# Allegro board 20173009_BALENA-FIN_V10.brd (continued)
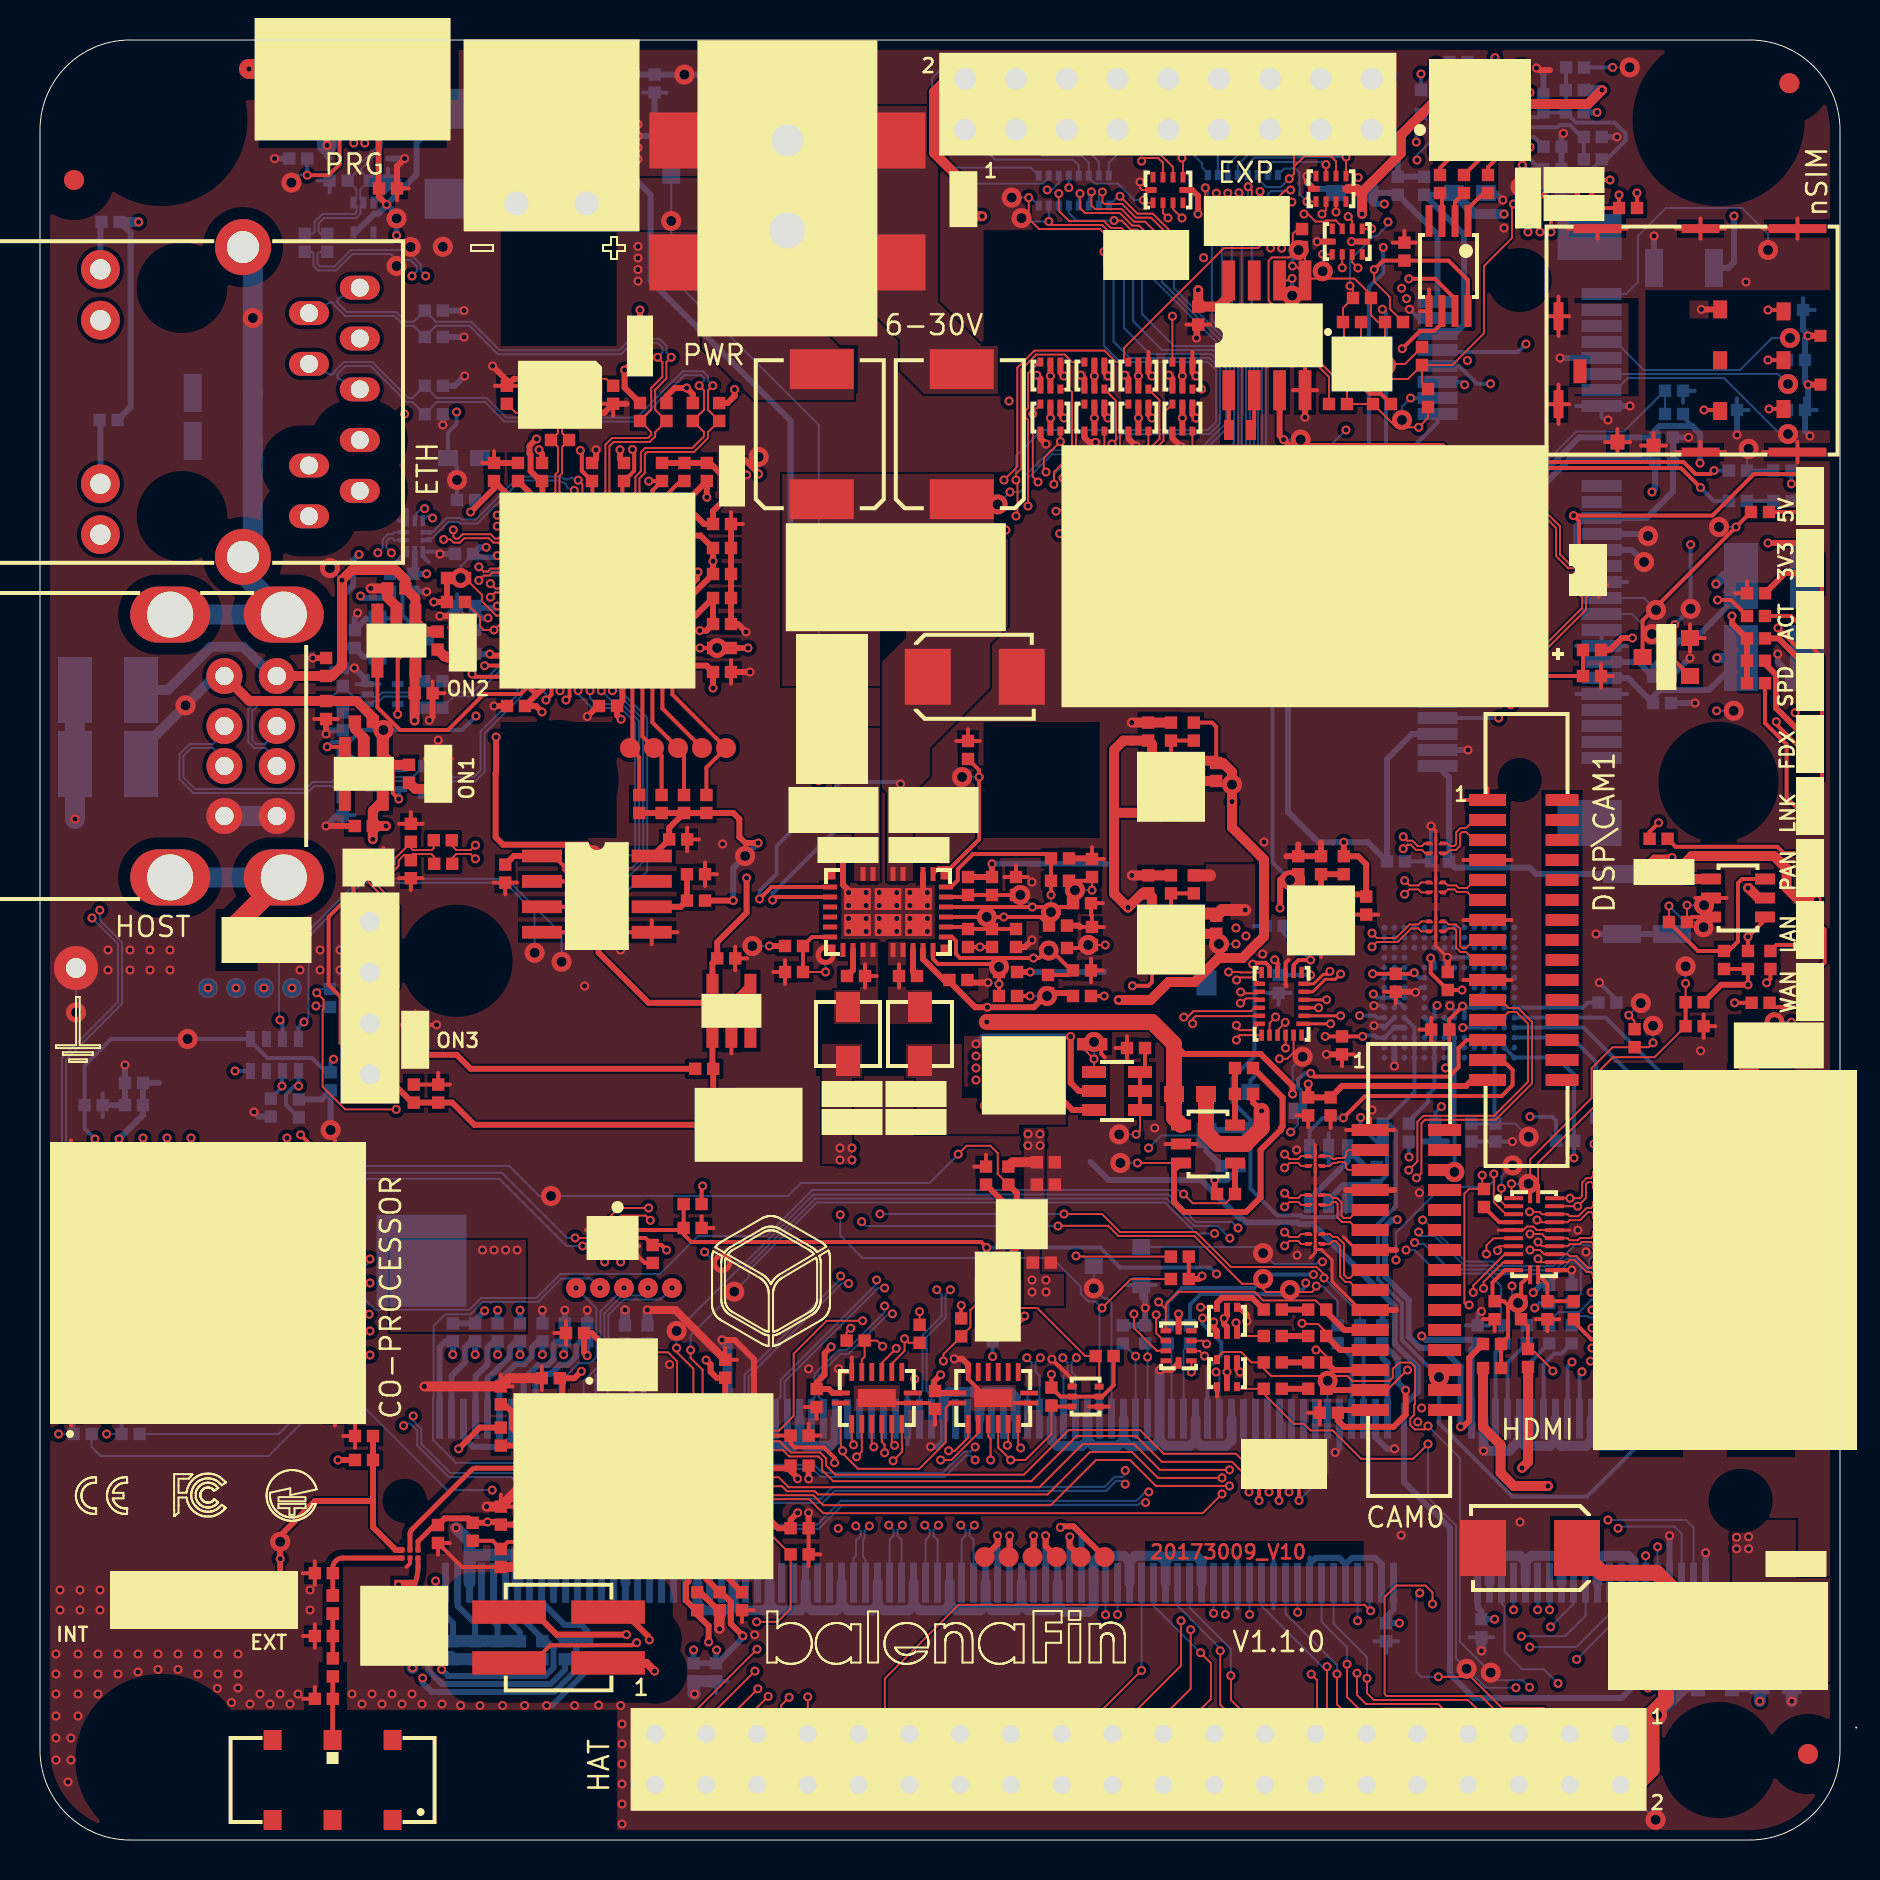
[diagram p0: board, top side]
## Routing (per net, layer and track width the routed paths; a pad name or vN(x,y) marks a point on that pad's centre or on a via; arc(x,y) is an arc through that point) (continued)
+3V3_A: length 30.1
  TOP w0.2: v1(29.63,69.53) 29.71,69.44 29.71,68.46 29.2,67.95 C174.2 29.12,67.87 U22.54 ; 31.09,67.94 C173.2 ; 31.09,67.94 v1(30.44,67.94) ; 31.09,67.94 30.62,67.47 U22.51 ; U22.57 27.62,67.93 C175.2 27.21,68.34 27.21,68.34 27.09,68.46 27.09,69.41 v1(27.02,69.48)
  TOP w0.3: R163.2 29.23,72.62 v1(29.23,73.5) 29.63,73.9 L20.2 ; R162.2 31.32,72.19 31.73,72.6 v1(32.33,72.6) 32.64,72.29 R165.2 ; v1(21.53,66.4) 22.7,67.57 C176.2 23.87,66.78 U22.64 ; U22.10 22.92,61.72 22.9,61.7 v1(22.86,61.7) ; v1(34.73,72.53) 34.73,72.2 34.38,71.85 R164.2 ; U22.49 32.17,66.78 C172.2 v1(33.34,67.14) ; U22.5 v1(22.86,64.22)
  POWER w0.5: v1(29.23,73.5) 29.23,72.8
  BOTTOM w0.1: v2(21.03,63.1) 21.03,63.68 C170.2
  BOTTOM w0.3: R200.2 21.75,66.62 v1(21.53,66.4) ; v1(22.86,61.7) 22.77,61.6 22.19,61.6 22.19,61.6 21.85,61.6 C171.2 21.75,61.45 22.1,61.1 v1(22.4,61.1) ; v1(22.86,64.22) 22.78,64.14 21.81,64.14 C170.2 21.99,64.64 v1(22.31,64.64)
+3V3_LED: length 169.9
  TOP w0.2: LD11.2 88.5,47.33 v1(88.83,47) 88.5,46.68 LD10.2 89.23,45.52 89.23,43.88 LD9.2 ; LD5.2 89.1,64.25 89.1,62.35 LD17.2
  TOP w0.3: v1(84.6,61.2) 84.6,60.83 R174.2 R177.2 R175.2 ; LD5.2 v1(86.4,64.85)
  TOP w0.5: Q16.4 82.35,48.05 R267.2 82,48.6 82.6,49.2 86.7,49.2 87.33,48.57 87.33,47.6 87.93,47 v1(88.83,47)
  INT4 w0.5: v1(4.93,80.9) 8.03,80.9 9.63,82.5 19.23,82.5 24.83,88.1 39.03,88.1 43.63,83.5 43.63,67.2 48.03,62.8 69.73,62.8 71.03,64.1 85.65,64.1 v1(86.4,64.85)
  POWER w0.5: v1(86.4,64.85) 84.6,63.05 v1(84.6,61.2) 84.6,60.75 88.8,56.55 88.8,47.09 88.83,47.06 v1(88.83,47) 88.83,46.86 88.8,46.83 88.8,44.12 87.58,42.9 v1(87.58,40.89)
  BOTTOM w0.1: v1(87.58,40.89) v2(86.72,40.89)
  BOTTOM w0.3: R308.1 4.53,71.65 4.53,80.35 R307.2
  BOTTOM w0.5: R307.2 v1(4.93,80.9)
+3V3_ON: length 136.8
  TOP w0.1: R289.1 67.5,76.56 67.5,77.15 66.71,77.93 v1(66.71,78.52)
  TOP w0.2: v1(65.9,72.9) 66.49,72.31 67.04,72.31 67.55,71.8 R288.2 ; U30.8 71.4,78 70.43,78.97 C242.1 67.16,78.97 v1(66.71,78.52)
  TOP w0.3: 50.52,71.8 v1(50.52,71.1) DS10.2 ; DS28.5 v1(50.52,73.2) 50.52,73.9 ; DS25.2 v1(57.12,73.2) 57.12,73.9 ; R254.2 v1(49.51,43.4) ; 52.72,71.8 v1(52.72,71.1) DS9.2 ; v1(47.6,48.81) R258.2 C221.1 ; 54.92,71.8 v1(54.92,71.1) DS8.2 ; DS27.5 v1(52.72,73.2) 52.72,73.9 ; DS26.5 v1(54.92,73.2) 54.92,73.9 ; DS7.2 v1(57.12,71.1) 57.12,71.8 ; TVS6.10 57.6,82.5 57.9,82.2 v1(57.9,81.3) ; TVS7.10 v1(65.58,79.92) ; MOD2.29 v1(3.95,35.05)
  TOP w0.5: TVS18.10 65.8,82.56 66.1,82.26 ; F2.2 v1(47.11,81.19) ; C151.1 48.64,33.89 R180.2 ; v1(78.1,87.5) 77.4,86.8 69.6,86.8 68.04,85.24 68.04,84.33 66.1,82.39 66.1,82.26 ; 66.1,82.26 v1(66.1,81.3)
  INT1 w0.1: v1(3.95,35.05) 8.4,39.5 v1(8.4,42.6)
  INT1 w0.2: v1(65.9,72.9) 62.4,72.9 58.4,76.9 58.4,78.9 v1(58.18,79.12)
  BOTTOM w0.3: R183.1 79.08,7.1 71.69,7.1 70.5,8.29 70.5,15.6 68.2,17.9 68.2,21.73 68.9,22.43 68.9,23.65 67.74,24.81 67.74,26.69 63.63,30.8 62.98,30.8 62.89,30.88 60.29,30.88 60.1,31.08 59.99,31.08 58.07,33 53.43,33 52.53,33.9 ; v2(14.53,35.5) R118.2 14.08,37.03 R128.2 ; v1(49.51,43.4) 53.2,43.4 ; v1(3.95,35.05) 5.15,36.25 C92.1 C93.1 5.96,37.86 ; v1(47.6,48.81) 53.31,48.81
  BOTTOM w0.5: R236.2 v1(78.1,87.5)
  vias: v1(40,34.6) v1(40,34) v1(40.6,34.6) v1(40.6,34) v1(49.4,35.3) v1(49.4,34.72) v1(50,35.3) v1(50,34.72) v1(53.4,65.6) v1(54.6,65.6) v1(55.8,65.6) v1(57,65.6)
+5V: length 125.9
  TOP w0.2: LD4.2 88.15,68.3 85.7,68.3 83.62,66.22 v1(76.68,66.22) 76.95,65.95 TVS17.5 ; v1(36.63,47) 36.78,47.15 U27.12
  TOP w0.3: Q15.5 51.94,37.45 51.53,37.86 v1(51.53,40.17) ; R272.2 60.65,36.88 v1(61.08,36.45)
  TOP w0.5: U23.8 59.44,77.17 58.94,76.67 C188.1 v1(57.91,77.5) ; LD8.4 LD8.5 LD8.6 70.88,88.2 v1(70.4,88.2) ; R244.1 72.15,20.64 73.03,19.76 73.03,18.36 73.69,17.7 v1(75.4,17.7)
  TOP w0.8: R268.1 58.3,35.37 58.87,34.8 Q17.2 60.28,34.8 61.08,35.6 v1(61.08,36.45)
  INT1 w0.2: v1(58.2,65.2) 75.65,65.2 v1(76.68,66.22)
  INT2 w0.5: v1(58.2,65.2) v1(58.2,58.4)
  POWER w0.5: v1(70.4,88.2) 68.1,85.9 68.1,79.1 66.13,77.12 65.26,77.12 64.89,77.5 v1(57.91,77.5) 58.8,76.61 58.8,65.8 v1(58.2,65.2)
  POWER w0.8: v1(61.08,36.45) 61.08,37.08 63.06,39.05 63.06,41.67 62.53,42.2 62.53,44.44 61.16,45.82 61.16,47.14 61.12,47.17
  BOTTOM w0.1: v1(58.2,58.4) v2(59.05,58.4)
  BOTTOM w0.2: v1(36.63,47) 36.63,47.33 v1(40,50.7)
  BOTTOM w0.3: v1(51.53,40.17) 47.17,40.17 v1(46.8,39.8)
  vias: v1(84.83,15.14) v1(84.83,14.56) v1(85.43,15.16) v1(85.43,14.56)
+5V_DEV: length 107.8
  TOP w0.3: v1(35.33,48.1) 35.33,46.36 33.86,44.89 C235.1 33.62,43.84 U28.5 ; v1(62.63,37.3) 62.63,37.7 61.03,39.3 57.2,39.3 56.7,39.8 ; R243.1 71.46,24.11 71.46,20.96 71.16,20.66 v1(71.03,20.66)
  TOP w0.5: C63.1 v1(16.64,50.04) ; C63.1 v1(17.3,50.7) ; C63.1 16.64,51.46 U10.5 ; U12.5 18.73,58.58 C75.1 v1(18.73,55.97)
  TOP w0.8: Q17.4 56.7,36.1 R268.2 56.7,39.8 55.6,40.9 v1(47.34,40.9)
  INT1 w0.3: v1(62.63,37.3) 62.63,37.1 64.1,35.63 67.16,35.63 67.86,34.93 v1(67.86,31.02)
  INT2 w0.8: v1(16.64,50.04) v1(17.3,50.7) 17.62,50.7 18.73,51.81 v1(18.73,55.97)
  POWER w0.8: v1(16.64,50.04) v1(17.3,50.7) 17.64,51.03 21.53,51.03 22.96,49.6 31.3,49.6 32.8,48.1 v1(35.33,48.1) 44.67,48.1 46.2,46.57 46.2,41.7 47,40.9 v1(47.34,40.9)
  BOTTOM w0.1: v2(63.13,39.16) 62.63,38.66 v1(62.63,37.3)
  BOTTOM w0.3: v1(67.86,31.02) 67.61,31.02 67.25,30.65 67.25,28.17 68.44,26.98 68.44,25.17 69,24.61 70.08,24.61 71.03,23.66 v1(71.03,20.66)
+5V_INT: length 12.6
  TOP w0.2: R255.2 v1(49.5,42.2) ; C220.1 v1(47,44.65) R257.2
  TOP w0.3: Q15.6 51.62,36.5 Q14.5
  INT1 w0.2: v1(47,44.65) 47.57,44.65 49.5,42.72 v1(49.5,42.2)
  INT1 w0.3: v1(49.5,42.2) v1(49.5,39.66)
  BOTTOM w0.1: v1(49.5,42.2) v2(50.35,42.2)
+5V_USB_DBG: length 46.7
  TOP w0.3: v1(17.33,81.78) 16.95,82.15 C88.1 16.93,82.6 J13.1
  INT2 w0.3: v1(17.83,80.22) 17.83,71.7 v1(18.23,71.3)
  POWER w0.3: v1(15.95,64.28) 16.71,65.03 17.96,65.03 18.53,65.6 18.53,71 v1(18.23,71.3)
  BOTTOM w0.3: v1(17.83,80.22) v2(17.83,81.08) 17.83,81.27 17.33,81.78 ; R237.2 27.74,86.56 DS33.2 18.83,84.86 18.83,83.28 17.33,81.78 ; v1(15.95,64.28) 15.65,63.97 15.65,62.72 15.18,62.25 15.18,59.9 15.48,59.6 R116.2 16.17,59.17 Q6.1 ; 17.33,81.78 v1(17.33,81.78) 17.33,81.72 16.92,81.32 16.72,81.32 15.78,80.38 TVS5.5
GND_DIGITAL: length 738.7
  TOP w0.1: TVS6.5 55.1,82.5 55,82.6 v1(55,82.9) ; MOD1.E6 31.97,16.59 31.97,14.54 MOD1.E9 ; U1.5 74.16,30.49 74.34,30.68 74.66,30.68 74.83,30.5 75.72,30.5 U1.18
  TOP w0.15: v1(70.37,44.13) 69.79,44.71 L4.6 L4.5 L3.6 L3.5 L2.6 L2.5 69.79,50.46 v1(69.55,50.7) ; U1.5 72.91,30.49 ; 63.76,34.77 L11.6 L11.5 L12.6 L12.5 L13.6 L13.5 ; L13.5 63.76,29.36 63.5,29.1 ; L13.5 63.86,29.52 64.07,29.52 64.6,29 64.6,27.94 66.03,26.5 J10.10 ; U1.18 76.49,30.49 ; J10.7 65.83,29.5 65.16,30.16
  TOP w0.2: R171.1 33.25,48.88 ; R171.1 33.25,47.7 ; R171.1 33.84,48.29 ; 26.3,24.76 C231.2 ; C231.2 25.71,25.35 ; C231.2 26.3,25.94 ; 53.76,39.6 R262.1 ; R262.1 54.35,39.01 ; R262.1 54.35,40.19 ; 52.55,46.25 C214.1 53.14,46.84 ; 18.33,13.66 18.5,13.83 U26.2 ; C111.1 69.56,41.11 ; C111.1 69.56,39.93 ; C111.1 68.97,40.52 ; 83.03,69.4 83.03,69.9 ; 83.03,69.4 84.25,69.4 ; 83.03,69.4 81.8,69.4 ; R275.1 15.75,20.79 ; R275.1 15.16,20.2 ; R275.1 15.75,19.61 ; 25.09,23.68 C196.1 25.09,22.5 ; J22.10 81.3,69.72 ; J22.10 80.05,69.72 ; J22.10 80.67,70.35 ; R264.1 37.25,43.99 ; R264.1 36.66,43.4 ; R264.1 37.25,42.81 ; 76.48,28.49 U1.13 75.73,28.11 ; U23.4 63.85,72.49 ; U23.4 63.25,73.77 ; U23.4 62.65,72.49 ; J22.16 83.03,81.07 ; J22.16 84.25,80.57 ; J22.16 83.03,80.07 ; J22.16 81.8,80.57 ; 67.79,41.82 C112.1 67.2,42.41 ; 76.4,80.57 J22.15 ; J22.15 79.35,80.57 ; J22.15 77.88,80.07 ; 63.41,35.64 C12.2 62.82,36.23 ; 32.36,49.44 C140.2 ; C140.2 32.95,50.03 ; C140.2 32.36,50.62 ; 78.25,69.9 78.88,69.9 ; 78.88,69.9 79.5,69.9 ; 78.88,69.9 78.88,69.24 ; 78.88,69.9 78.88,70.55 ; 75.4,76.19 J22.14 ; J22.14 75.92,77.17 ; J22.14 75.92,75.21 ; J22.14 76.45,76.19 ; 17.95,50.81 C238.2 ; C238.2 19.13,50.81 ; C238.2 18.54,51.4 ; 63.23,19.09 v1(63.23,18.96) ; R170.1 23.85,47.87 ; R170.1 22.67,47.87 ; R170.1 23.26,47.28 ; 13.15,13.34 L10.1 ; L10.1 13.74,13.93 ; L10.1 13.74,12.75 ; 34.85,24.01 C193.1 34.26,24.6 ; C188.2 58.5,75.77 ; C188.2 57.91,75.18 ; C188.2 57.32,75.77 ; C210.1 21.1,13.65 R221.1 ; C210.1 20.49,14.85 ; C210.1 19.9,14.26 ; 84.76,62.34 R67.1 85.35,62.93 ; C235.2 35.35,44.08 ; C235.2 34.76,44.67 ; C235.2 34.76,43.49 ; 52.45,21.67 DS1.1 ; DS1.1 52.95,21.24 ; DS1.1 53.46,21.67 ; 73.58,49 J3.4 71.17,49 ; v1(50.59,24.04) 50.95,23.69 50.96,23.69 51.61,23.05 DS1.4 ; 20.46,60.62 LD16.1 ; LD16.1 21.14,61.3 ; LD16.1 21.14,59.94 ; 86.15,69.4 87.88,69.4 ; 87.88,69.4 87.88,68.89 ; 87.88,69.4 87.88,69.9 ; U32.17 41.94,22.1 42.19,21.85 U32.8 44.45,21.85 C245.2 44.75,20.78 44.73,20.76 ; MOD2.1 1.55,23.68 ; MOD2.1 0.87,22.2 ; MOD2.1 1.55,20.72 ; TVS17.3 78.38,62.75 ; TVS17.3 77.95,63.33 ; TVS17.3 77.95,62.17 ; 29.31,45.39 U19.5 ; U19.5 30.59,44.79 ; U19.5 30.59,45.99 ; U19.5 31.87,45.39 ; R263.1 46.99,54.95 ; R263.1 45.81,54.95 ; R263.1 46.4,55.54 ; 73.58,43 J3.10 71.17,43 ; 35.14,65.8 C186.2 34.55,66.39 ; 48.73,21.85 U33.8 49.46,21.45 ; C201.2 13.74,10.79 ; C201.2 13.15,10.2 ; C201.2 13.74,9.61 ; 65.1,38.69 C109.1 65.69,39.28 ; C236.2 20.5,37.77 ; C236.2 19.91,38.36 ; C236.2 C239.2 ; 62.43,44 62.28,43.85 U31.9 62.28,42.75 62.33,42.7 ; J10.1 67.71,35.5 ; J10.1 65.3,35.5 ; J10.1 66.51,36.08 ; 29.4,29.31 U29.8 ; U29.8 30.25,28.85 C241.2 ; U29.8 29.96,29.7 ; 52.55,42.89 C217.1 ; C217.1 52.55,44.07 ; C217.1 53.14,43.48 ; R266.1 49.39,48.15 ; R266.1 48.21,48.15 ; R266.1 48.8,48.74 ; 23.04,17.26 C191.1 23.63,16.67 ; 0.87,33.5 MOD2.31 ; MOD2.31 1.55,32.02 ; MOD2.31 1.55,34.98 ; 65.72,46.27 C42.2 66.9,46.27 ; 75.37,25.45 C10.2 ; C10.2 74.78,26.04 ; C10.2 75.96,26.04 ; C216.1 52.6,46.24 ; C216.1 53.19,45.65 ; C216.1 52.01,45.65 ; 17.95,48.09 C237.2 ; C237.2 18.54,47.5 ; C237.2 19.13,48.09 ; C242.2 68.22,80.46 ; C242.2 68.81,79.87 ; C242.2 67.63,79.87 ; 82.5,59.42 Q13.2 ; Q13.2 83.23,60.1 ; Q13.2 82.5,60.78 ; 27.3,30.5 U29.3 27.86,30.89 ; 52.6,49.64 C213.1 53.19,49.05 ; C61.2 63.99,21.95 ; C61.2 63.4,21.36 ; C61.2 63.99,20.77 ; 58.42,22.66 DS5.1 58.85,22.16 ; 72.14,26.04 C9.2 72.73,25.45 ; 14.75,20.72 MOD2.12 15.43,22.2 ; 87.88,80.07 87.88,80.57 ; 87.88,80.57 87.88,81.07 ; 87.88,80.57 86.15,80.57 ; 47.3,34.26 C152.2 46.71,33.67 ; 16.59,49.17 TVS19.3 17.17,49.6 ; 71.17,52 J3.1 72.38,52.58 ; 28.66,71.22 C147.2 28.07,71.81 ; U33.15 46.41,23.05 47.36,22.1 U33.17 ; 71.17,46 J3.7 73.58,46 ; 84.33,47.1 Q16.5 82.77,47.1 ; C3.2 83.18,41.28 ; C3.2 83.18,40.1 ; C3.2 83.77,40.69 ; MOD1.G8 29.72,14.9 28.91,14.09 MOD1.H9 ; R260.1 53.06,39.31 53.24,39.13 ; 34.55,57.81 C179.2 34.55,58.99 ; LD18.1 18.76,41.44 ; LD18.1 18.76,40.08 ; LD18.1 v1(19.83,40.76) ; LD18.1 18.08,40.76 ; 13.71,56.05 C70.2 14.89,56.05 ; 17.85,81.99 C88.2 18.44,82.58 ; 14.75,34.98 MOD2.20 15.43,33.5 ; R218.1 39.02,14.28 ; R218.1 38.43,13.69 ; R218.1 C189.1 ; J22.12 75.92,72.77 ; J22.12 76.45,71.79 ; J22.12 75.4,71.79 ; J22.12 75.92,70.81 ; 33.67,30.6 R298.1 33.08,31.19 ; C11.2 64.53,35.6 ; 38.83,21.06 C244.2 38.24,21.65 ; 23.93,72.71 C148.2 22.75,72.71 ; 78.05,57.61 C211.2 ; C211.2 78.64,58.2 ; C211.2 78.05,58.79 ; 69.45,77.53 U30.5 69,76.45 ; 57.62,74.4 57.62,73.9 58.05,73.9 ; 20.22,57.34 C75.2 19.63,57.93 ; 19.23,54.06 LD15.1 ; LD15.1 19.91,53.38 ; LD15.1 20.59,54.06 ; 22.7,69.44 C176.1 22.11,68.85 ; 35.1,10.9 C199.1 35.69,11.49 ; 55.85,73.9 55.42,73.9 55.42,74.4 ; 40.19,23.4 U32.15 40.59,24.13 ; 64.05,45.21 U6.2 64.05,44.15 ; 23.63,22.68 R222.1 23.04,23.27 ; 13.74,7.65 C60.2 13.15,7.06 ; 57.83,34.8 Q17.5 56.27,34.8 ; 39.02,20.22 C195.1 38.43,20.81 ; 34.57,39.33 U28.2 34.57,40.89
  TOP w0.3: C43.2 R52.1 64.05,49.87 ; C43.2 62.91,49.78 ; C43.2 62.32,49.19 ; 75.5,88.5 75,88.5 74.9,88.6 v1(74.82,88.6) ; TVS18.5 63.35,82.9 v1(63.35,83.19) ; MOD1.G8 MOD1.F8 ; MOD1.F1 30.62,21.92 ; Y2.4 28.21,71.36 C147.2 29.32,71.81 ; U23.4 v1(63.25,71.14) ; C188.2 57.83,75.69 v1(57.83,75.1) ; C226.2 46.5,42.87 v1(47.4,42.87) ; LD16.1 20.56,61.2 v1(20,61.2) ; DS25.1 56.62,73.06 v1(56.44,73.24) ; 55.42,73.9 55.42,73.38 v1(55.6,73.2) ; C179.2 v1(35.5,58.4) ; v1(54.24,73.24) 54.42,73.06 DS26.4 ; C180.2 27.89,56.7 v1(27.36,56.18) 27.43,56.18 ; C186.2 C177.2 C178.2 C184.2 C182.2 34.9,60.8 v1(35.3,60.4) ; v1(33,17.2) 33.49,17.69 MOD1.B5 ; v1(22.63,73.7) 23.34,72.99 C148.2 23.69,73.06 Y2.2 ; C185.1 25.1,69.3 24.95,69.45 v1(24.95,69.51) ; J1.11 81.2,28.5 ; J13.5 14.33,84.83 14.35,84.81 v1(14.35,84.73) ; v1(49.6,45) 49.25,44.65 R265.1 ; 53.22,73.9 53.22,73.38 v1(53.4,73.2) ; 55.42,71.8 55.42,71.28 v1(55.6,71.1) ; DS5.4 59.85,23.55 v1(60,23.4) ; J10.10 67.8,26.5 ; J10.7 67.8,29.5 ; C176.1 R201.2 ; v1(56,23.51) 56.59,23.51 TVS2.5 ; MOD1.E9 30.92,13.49 29.42,13.49 MOD1.H9 ; J1.17 81.14,25.5 ; DS4.1 59.97,26.64 60.34,26.26 v1(60.34,25.95) ; DS10.1 50.02,70.08 v1(50.3,69.8) ; J1.5 81.2,31.5 ; v1(70.37,44.13) 70.39,44.11 C110.1 ; MOD1.A1 35.7,21.52 35.7,24.03 34.73,25 v1(34.11,25) ; C212.1 52.57,49.08 C213.1 ; DS7.1 56.62,70.1 v1(57.06,69.66) ; v1(57.8,71.1) 57.62,71.28 57.62,71.8 ; v1(53.4,71.1) 53.22,71.28 53.22,71.8 ; C181.2 v1(22.7,56.7) ; J22.19 v1(88.4,72.77) ; C88.2 17.85,83.69 v1(18.23,84.07) ; 52.01,45.65 51.94,45.72 C215.1 ; C109.1 v1(64.32,39.28) ; C63.2 v1(14.3,50.7) ; C174.1 29,69.05 v1(29,69.51) ; v1(49.84,73.24) 50.02,73.06 DS28.4 ; C79.2 v1(13.64,59.1) ; v1(57.8,73.2) 57.62,73.38 57.62,73.9 ; v1(27.8,69.51) 27.8,69.05 C175.1 ; LD15.1 v1(19.91,54.99) ; v1(51.2,73.2) 51.02,73.38 51.02,73.9 ; v1(51.2,71.1) 51.02,71.28 51.02,71.8 ; C192.1 v1(38.43,18.06) ; C70.2 v1(14.3,55.3) ; 65.3,32.5 J10.4 67.71,32.5 ; DS8.1 54.42,70.08 v1(54.8,69.7) ; C223.2 40.15,48.95 U27.10 40.15,47.77 U27.37 ; C112.1 68.75,42.41 v1(68.78,42.39) ; J1.8 81.2,30 ; v1(52.04,73.24) 52.22,73.06 DS27.4 ; v1(35.33,68.25) 34.1,68.25 33.5,68.85 C172.1 R202.2 C173.1 ; v1(19.46,55.98) 19.63,56.15 C75.2 ; U27.33 44.15,47.27 U27.2 ; v1(63.23,18.96) 62.95,19.24 RR15.11 ; C190.1 33.01,12.39 33.91,11.49 C194.1 ; J22.18 v1(88.4,75.21) ; v1(45.71,24.06) 46.11,24.06 46.41,23.76 U33.15 ; U22.34 31.83,59.22 31.5,59.55 30.79,59.55 v1(29.92,60.42) v1(28.55,61.79) U22.65 v1(28.55,63.15) 29.4,64 31.48,64 31.7,64.22 U22.44 ; C189.1 v1(38.43,16.36) ; TVS7.5 v1(63.86,79.92) ; v1(58.68,25.9) 58.68,25.62 58.85,25.45 DS4.4 ; DS9.1 52.22,70.13 52.47,69.88 v1(52.78,69.88) ; J22.5 v1(83.07,76.53) ; J1.2 81.2,33
  TOP w0.4: v1(30.37,26.5) 31.77,26.5 C193.1
  TOP w0.5: v1(22.33,16.67) C191.1 24.06,17.69 MOD1.N5 MOD1.M5 MOD1.M4 MOD1.M3 25.21,19.5 v1(24.4,19.5) ; v1(16.53,62.58) C76.2 17.37,62.13 17.82,61.68 U12.2 ; R221.1 24.38,13.65 24.87,14.14 ; C194.1 33.98,11.06 33.97,11.05 33.97,10.57 v1(33.98,10.56) ; v1(19.22,22.68) R222.1 23.45,23.09 C196.1 ; v1(54.59,55.87) C28.2 R37.1 ; U5.2 U5.7 56.84,45.31 C39.2 ; J9.3 v1(18.1,10.46) J9.2 ; C64.2 15.74,55.56 16.19,55.11 U10.2 16.19,54.09 v1(15.9,53.8) ; C27.2 56.84,52.95 U2.7 U2.2 ; v1(54.59,48.23) C40.2 R46.1
  TOP w1: BAT1.2 v1(52.67,61.09)
  GND w0.1: v1(38.43,16.36) 38.38,16.36 38.32,16.3
  INT1 w0.1: 73.8,32.19 72.01,32.19
  INT2 w0.1: 67.9,76.69 67.7,76.88
  BOTTOM w0.1: TP21.1 v2(1.8,41.38)
  BOTTOM w0.2: 60.69,45.7 R309.1 ; R309.1 61.28,45.11 ; R309.1 61.28,46.29 ; 20.85,62.29 C171.1 20.26,61.7 ; 31.32,87.37 R32.1 30.14,87.37 ; v1(30.7,16.2) 30.93,16.2 31.53,15.6 31.53,15.26 31.08,14.81 J2.163 ; 3.13,37.33 C91.2 3.13,36.15 ; 67.31,9.35 C6.1 ; C6.1 67.9,9.94 ; C6.1 66.72,9.94 ; C108.1 C107.1 v1(73.62,34.92) ; 82.15,71.87 R247.1 82.74,72.46 ; 88.15,77.09 C153.2 88.74,76.5 ; 61.68,11.58 J2.61 61.68,14.14 ; 15.14,50.65 C68.2 15.73,51.24 ; 60.73,38.2 60.53,38 Q21.2 ; 20.26,59.3 C183.1 20.85,58.71 ; v1(71.14,40.62) U17.D4 U17.C4 ; 76.8,57.3 J19.43 79.36,57.3 ; v1(77.97,42.87) 78.82,42.02 R139.1 ; v1(68.47,76.53) 68.9,76.1 J19.4 ; v1(70.5,41.71) 70.72,41.49 U17.G5 ; 55.06,27.07 Q1.2 ; Q1.2 55.79,27.75 ; Q1.2 54.33,27.75 ; v1(20,64.3) 19.88,64.42 U13.8 19.14,64.19 19.43,63.9 ; 16.57,53.98 TVS3.3 17.15,53.55 ; v1(61.81,18.84) 61.81,18.89 61.38,19.32 J2.62 61.38,22.06 ; v1(69.55,50.7) C124.2 C123.2 ; Q6.2 17.61,61.07 ; Q6.2 16.88,61.75 ; Q6.2 16.88,60.39 ; J19.40 v1(68.47,58.5) ; 88.84,71.5 C155.2 88.25,72.09 ; U17.K8 69.03,42.62 68.8,42.39 v1(68.78,42.39) ; 33.8,7.35 C198.1 34.39,7.94 ; 71.29,25.73 C5.2 ; C5.2 71.88,26.32 ; C5.2 72.47,25.73 ; U17.P6 67.12,41.72 v1(66.69,41.72) ; 43.38,19.78 J2.122 43.38,22.34 ; C86.2 14.48,83.56 ; C86.2 14.48,82.38 ; C86.2 13.89,82.97 ; U17.N5 U17.P4 67.12,40.72 v1(66.69,40.72) ; TVS4.3 16.97,57.79 ; TVS4.3 15.82,57.79 ; TVS4.3 16.39,58.22 ; C78.2 v1(15.72,58.6) ; C78.2 15.14,59.19 ; C78.2 14.55,58.6 ; 31.56,84.43 Q3.2 ; Q3.2 30.83,85.11 ; Q3.2 31.56,85.79 ; Q3.2 32.29,85.11 ; 72.66,10.14 C4.1 71.48,10.14 ; J19.18 71.16,67.3 ; J19.18 v1(68.48,67.3) ; J19.18 69.88,67.88 ; 61.93,41.76 C243.2 ; C243.2 62.52,42.35 ; C243.2 61.34,42.35 ; U17.H10 70.22,43.98 v1(70.37,44.13) 71.91,44.13 72.18,43.86 72.18,42.41 71.89,42.12 U17.E7 ; 63.48,14.14 63.48,13.79 ; J19.35 J19.37 ; J19.37 76.8,59.7 ; J19.37 79.36,59.7 ; 17.4,83.56 C87.2 17.99,82.97 ; 85.44,71.5 C156.2 84.85,72.09 ; 64.43,33.77 Q20.5 64.43,35.33 ; 81.16,25.73 C2.2 81.75,26.32 ; 76.8,71.7 J19.15 78.08,71.12 ; 76.8,62.9 J19.29 79.36,62.9 ; v1(68.47,60.9) J19.34 ; J19.26 v1(68.47,64.1) ; 59.88,11.58 J2.67 59.88,14.14 ; 18.34,66.52 U13.3 17.95,65.96
  BOTTOM w0.3: v1(74.82,88.6) 74.9,88.6 75.17,88.33 C204.2 ; J2.55 63.48,13.79 63.8,14.11 64.96,14.11 65.28,13.79 ; v1(67.72,19.56) 67.35,19.56 66.78,20.13 J2.44 ; 31.47,85.2 30.73,85.94 R32.1 ; 31.47,85.2 Q3.2 ; 31.47,85.2 v1(29.9,85.2) ; C22.2 v1(22.88,26.49) ; 65.28,13.79 65.6,14.11 66.76,14.11 67.08,13.79 J2.43 ; 65.28,13.79 J2.49 ; C87.2 17.4,82.6 TVS5.3 ; 87.4,57.7 87.4,58.4 86.88,58.92 v1(86.88,59.3) ; v1(76.17,85.33) 76.07,85.23 R231.1 R232.1 ; C20.2 v1(24,26.49) ; C7.2 67.12,26.46 ; J19.29 J19.27 77.23,63.7 76.83,64.1 76.83,65.7 77.23,66.1 J19.21 80.33,66.1 81.65,67.42 C120.2 C119.2 v1(82.43,70.13) ; C85.2 v1(19.33,62.41) ; C209.2 C208.2 v1(77.8,45.3) ; J2.182 25.38,20.13 24.75,19.5 v1(24.4,19.5) 24.21,19.5 23.58,20.13 ; R153.1 v1(11.73,84.07) ; R132.2 10.93,36.17 v1(10.7,36.4) ; v1(73.15,82) 73.1,82 72.75,82.35 C115.1 ; v1(22.23,26.46) 21.76,25.99 C24.2 C26.2 ; C137.2 v1(21.2,75.15) ; J2.50 64.98,19.61 v1(64.75,19.38) ; C139.2 v1(20.14,70.75) ; 23.58,20.13 23.11,19.66 21.65,19.66 21.18,20.13 J2.196 ; 23.58,20.13 J2.188 ; R20.1 54.5,25.73 54.5,25.73 54.9,25.73 54.9,25.73 R18.1 v1(55.26,26.6) 55.26,27.55 Q1.2 ; J19.50 v1(71.4,54.5) ; C121.1 81.57,58.17 v1(82.5,59.1) ; v1(67.72,38.69) U17.N1 U17.N2 ; C15.1 26.24,8.5 25.54,7.8 20.1,7.8 19.42,8.48 v1(19.42,8.9) ; 14.48,84.07 14.35,84.2 v1(14.35,84.73) ; R7.1 v1(76.58,28.5) ; TVS3.3 16.15,53.55 v1(15.9,53.8) 15.34,54.36 C69.2 ; v1(25.33,6.73) 25.59,6.73 27.36,8.49 C13.1 ; C136.2 v1(21.2,76.47) ; C122.1 v1(82.75,56.85) ; C77.2 14.48,55.48 v1(14.3,55.3) ; v1(14.3,50.7) 14.84,51.24 C68.2 ; C183.1 C187.1 C171.1 20.35,61.2 v1(20,61.2) ; v1(88.5,70.2) 88.25,70.45 C155.2 88.4,71.65 v1(88.4,72.77) 88.25,72.92 C154.2 88.25,75.06 v1(88.4,75.21) 88.4,75.26 88.15,75.51 C153.2 ; C207.2 v1(80.7,80.2) ; 17.4,84.07 v1(18.23,84.07) ; C116.1 64.6,82.56 63.64,82.56 63.33,82.87 63.33,83.17 v1(63.35,83.19) ; C14.2 v1(27.36,26.49) ; J2.56 63.18,19.01 v1(63.23,18.96) ; v1(29.7,19.2) 28.98,19.92 J2.170 ; v1(81.48,15.21) J2.7 ; v1(74.66,27.37) 75.04,27.75 R10.1 ; R140.1 69.77,34.33 ; R140.1 70.36,34.92 ; R140.1 69.18,34.92 ; C91.2 C92.2 C93.2 v1(4.25,38.75) ; v1(15.72,58.6) 16.2,58.12 16.2,57.99 TVS4.3 ; J19.15 v1(79.5,71.7) ; Q6.2 16.31,61.07 R116.1 15.74,61.11 15.88,61.25 v1(15.88,61.35) ; J2.1 v1(83.28,14.36) ; C170.1 v1(20,64.3) ; J14.17 67.89,84.21 C118.2 C117.2 ; v1(30.7,19.2) 30.78,19.28 J2.164 ; U25.17 72.41,85.64 U25.6 v1(70.46,85.64) ; J2.8 81.18,23.41 ; J19.9 v1(76,74.1) ; J2.116 45.18,19.96 44.88,19.66 v1(44.53,19.66) ; C138.2 20.74,72.71 v1(21.23,73.2) ; C18.2 v1(25.12,26.49) ; C156.2 v1(84.85,70.25) ; C16.2 v1(26.24,26.49) ; R229.1 v1(78.85,85.15)
  BOTTOM w0.5: R29.2 v1(29.25,26.5) ; 38.28,11.79 38.28,11.73 38.03,11.48 36.79,11.48 36.48,11.79 ; 38.28,11.79 J2.139 ; 38.28,11.79 38.59,11.48 39.83,11.48 40.08,11.73 40.08,11.79 ; 50.88,11.72 51.19,11.41 52.43,11.41 52.68,11.66 52.68,12.79 ; J2.79 56.28,13.93 ; 56.28,13.93 56.56,14.21 57.8,14.21 58.08,13.93 J2.73 ; 56.28,13.93 56,14.21 54.76,14.21 54.48,13.93 ; J2.19 77.88,13.93 ; 77.88,13.93 78.16,14.21 79.4,14.21 79.68,13.93 J2.13 ; 77.88,13.93 77.6,14.21 76.36,14.21 76.08,13.93 ; 55.98,19.99 56.26,19.71 57.5,19.71 57.78,19.99 ; 55.98,19.99 55.7,19.71 54.46,19.71 54.18,19.99 ; 55.98,19.99 J2.80 55.98,23.49 v1(56,23.51) ; v1(83.83,25.73) C1.2 C2.2 ; J2.20 77.58,19.99 ; 77.58,19.99 77.86,19.71 79.1,19.71 79.38,19.99 J2.14 ; 77.58,19.99 77.3,19.71 76.06,19.71 75.78,19.99 ; 37.98,19.99 37.7,19.71 36.46,19.71 36.18,19.99 ; 37.98,19.99 38.26,19.71 39.5,19.71 39.78,19.99 J2.134 ; 37.98,19.99 J2.140 ; 73.98,19.99 74.26,19.71 75.5,19.71 75.78,19.99 ; 73.98,19.99 J2.32 ; 73.98,19.99 73.45,19.46 v1(72.18,19.46) J2.38 ; 43.68,11.79 43.68,11.73 43.43,11.48 42.19,11.48 41.88,11.79 ; 43.68,11.79 43.99,11.48 45.23,11.48 45.48,11.73 45.48,11.79 ; 43.68,11.79 J2.121 ; 52.38,19.99 52.66,19.71 53.9,19.71 54.18,19.99 ; 52.38,19.99 J2.92 ; 52.38,19.99 52.1,19.71 50.86,19.71 50.58,19.99 J2.98 ; 76.08,13.93 J2.25 ; 76.08,13.93 75.8,14.21 74.56,14.21 74.28,13.93 ; J2.133 40.08,11.79 ; 40.08,11.79 40.39,11.48 41.63,11.48 41.88,11.73 41.88,11.79 ; 75.78,19.99 J2.26 ; 45.48,11.79 45.79,11.48 47.03,11.48 47.28,11.73 47.28,11.79 ; 45.48,11.79 J2.115 ; 57.78,19.99 58.06,19.71 59.3,19.71 59.58,19.99 J2.68 ; 57.78,19.99 J2.74 ; J2.104 48.78,22.13 48.5,22.41 47.26,22.41 47.05,22.21 47.05,21.73 46.98,21.66 ; 54.48,13.93 J2.85 ; 54.48,13.93 54.2,14.21 52.96,14.21 52.68,13.93 J2.91 ; J2.31 74.28,13.93 ; 74.28,13.93 74,14.21 72.76,14.21 72.48,13.93 J2.37 ; 41.88,11.79 J2.127 ; J2.97 50.88,11.73 50.63,11.48 49.39,11.48 49.08,11.79 ; 54.18,19.99 J2.86 ; 36.48,11.79 36.48,11.73 36.23,11.48 34.99,11.48 34.68,11.79 ; 36.48,11.79 J2.145 ; 36.18,19.99 35.9,19.71 34.66,19.71 34.38,19.99 J2.152 34.38,24.73 v1(34.11,25) ; 36.18,19.99 J2.146 ; 47.28,11.79 47.59,11.48 48.83,11.48 49.08,11.73 49.08,11.79 ; 47.28,11.79 J2.109 ; 46.98,21.66 J2.110 ; 46.98,21.66 46.98,22.13 46.7,22.41 45.46,22.41 45.18,22.13 J2.116 ; v1(29.7,16.2) 29.7,15.34 29.28,14.92 J2.169 ; 49.08,11.79 J2.103 ; R28.2 v1(30.37,26.5) ; J2.157 32.88,11.79 33.19,11.48 34.43,11.48 34.68,11.73 34.68,11.79 ; 34.68,11.79 J2.151 ; C4.1 v1(72.07,9.46)
  BOTTOM w0.6: v1(19.42,8.9) 19.67,9.15 20.53,9.15 C25.1 C23.1 C21.1 C19.1 C17.1 ; v1(20.8,15.61) 21.48,14.93 21.48,14 ; 21.48,14 J2.195 ; 21.48,14 21.74,14.26 23.62,14.26 23.88,14 ; 23.88,14 24.14,14.26 25.42,14.26 25.68,14 J2.181 ; 23.88,14 J2.187 ; v1(87.59,6.94) C113.2 ; v1(32.73,7.3) 32.68,7.35 C197.1 C198.1
  BOTTOM w1: v1(1.75,51.05) C234.2 C232.2 ; J11.8 J11.4 ; v1(14.35,84.73) R117.1 C89.1
  vias: v1(0.8,9.3) v1(0.8,8.3) v1(0.8,7.3) v1(0.8,6.2) v1(0.8,5.1) v1(0.8,4) v1(1,12.5) v1(1,11.5) v1(1.4,2.9) v1(1.55,5.1) v1(1.55,4) v1(1.9,9.3) v1(1.9,8.3) v1(1.9,7.3) v1(1.9,6.2) v1(2,12.5) v1(2,11.5) v1(2.9,9.3) v1(2.9,8.3) v1(2.9,7.3) v1(3,12.5) v1(3,11.5) v1(3.4,44.5) v1(3.4,43.5) v1(3.9,9.3) v1(3.9,8.3) v1(4.5,44.5) v1(4.5,43.5) v1(4.9,9.3) v1(4.9,8.4) v1(5.5,44.5) v1(5.5,43.5) v1(5.9,9.3) v1(5.9,8.53) v1(6,12.5) v1(6,11.5) v1(6.5,44.5) v1(6.5,43.5) v1(6.9,9.3) v1(6.9,8.53) v1(7,12.5) v1(7,11.5) v1(7.9,9.3) v1(7.9,8.3) v1(8,12.5) v1(8,11.5) v1(8.86,7.58) v1(8.9,9.3) v1(8.9,8.3) v1(9,12.5) v1(9,11.5) v1(9.57,6.87) v1(9.9,9.3) v1(9.9,8.3) v1(9.9,7.6) v1(10.5,12.5) v1(10.5,11.5) v1(10.5,6.8) v1(11,7.3) v1(11.5,6.8) v1(12,7.3) v1(12.5,6.8) v1(12.9,7.3) v1(13,43.5) v1(13.5,12.5) v1(13.5,11.5) v1(14,44.5) v1(14,43.5) v1(15,44.5) v1(15,43.5) v1(15.6,7.3) v1(16.1,6.8) v1(16.6,7.3) v1(17.1,6.8) v1(17.6,7.3) v1(18.1,6.8) v1(18.6,7.3) v1(19.1,6.8) v1(20.1,6.8) v1(21.03,6.73) v1(22,6.73) v1(23.13,6.73) v1(24.23,6.73) v1(24.45,65.89) v1(24.45,64.52) v1(24.45,63.15) v1(24.45,61.79) v1(24.45,60.42) v1(24.45,59.05) v1(25.82,65.89) v1(25.82,64.52) v1(25.82,63.15) v1(25.82,61.79) v1(25.82,60.42) v1(25.82,59.05) v1(26.73,6.73) v1(27.19,65.89) v1(27.19,64.52) v1(27.19,63.15) v1(27.19,61.79) v1(27.19,60.42) v1(27.19,59.05) v1(27.23,42.7) v1(27.3,19.2) v1(27.3,18.2) v1(27.3,17.2) v1(27.3,16.2) v1(27.93,6.74) v1(28.55,65.89) v1(28.55,64.52) v1(28.55,60.42) v1(28.55,59.05) v1(29.03,44.5) v1(29.03,6.73) v1(29.1,5.8) v1(29.1,4.8) v1(29.1,3.8) v1(29.1,2.8) v1(29.1,1.8) v1(29.1,0.8) v1(29.7,18.2) v1(29.7,17.2) v1(29.9,85.78) v1(29.9,84.62) v1(29.9,84.05) v1(29.9,79.68) v1(29.9,79.1) v1(29.9,78.52) v1(29.9,77.95) v1(29.92,65.89) v1(29.92,64.52) v1(29.92,63.15) v1(29.92,61.79) v1(29.92,59.05) v1(30.7,18.2) v1(30.7,17.2) v1(31.29,65.89) v1(31.29,64.52) v1(31.29,63.15) v1(31.29,61.79) v1(31.29,60.42) v1(31.29,59.05) v1(31.48,23.78) v1(33,19.2) v1(33,18.2) v1(33,16.2) v1(34.13,49.8) v1(35.73,10.26) v1(38.43,23.56) v1(39.93,23.56) v1(40.43,47.38) v1(40.43,46.73) v1(40.43,46.08) v1(40.43,45.42) v1(41.31,47.38) v1(41.31,46.73) v1(41.31,46.08) v1(41.31,45.42) v1(41.96,47.38) v1(41.96,46.73) v1(41.96,46.08) v1(41.96,45.42) v1(42.84,47.38) v1(42.84,46.73) v1(42.84,46.08) v1(42.84,45.42) v1(43.49,47.38) v1(43.49,46.73) v1(43.49,46.08) v1(43.49,45.42) v1(44.37,47.38) v1(44.37,46.73) v1(44.37,46.08) v1(44.37,45.42) v1(49.6,47.9) v1(55.73,35.6) v1(61.13,44.3) v1(61.2,49.9) v1(62.83,34.5) v1(62.85,29.24) v1(66.6,36.5) v1(68.06,15.24) v1(68.97,32.36) v1(72.08,26.43) v1(73.2,80.6) v1(74,15.9) v1(76.89,30.49) v1(77.3,29.4) v1(78.4,71) v1(83.03,39.46) v1(85.3,77.9) v1(88.75,33.5) v1(88.75,23.95) v2(20.14,79.66)